# KiCad board sss-opr3-v1 (1).kicad_pcb (continued)
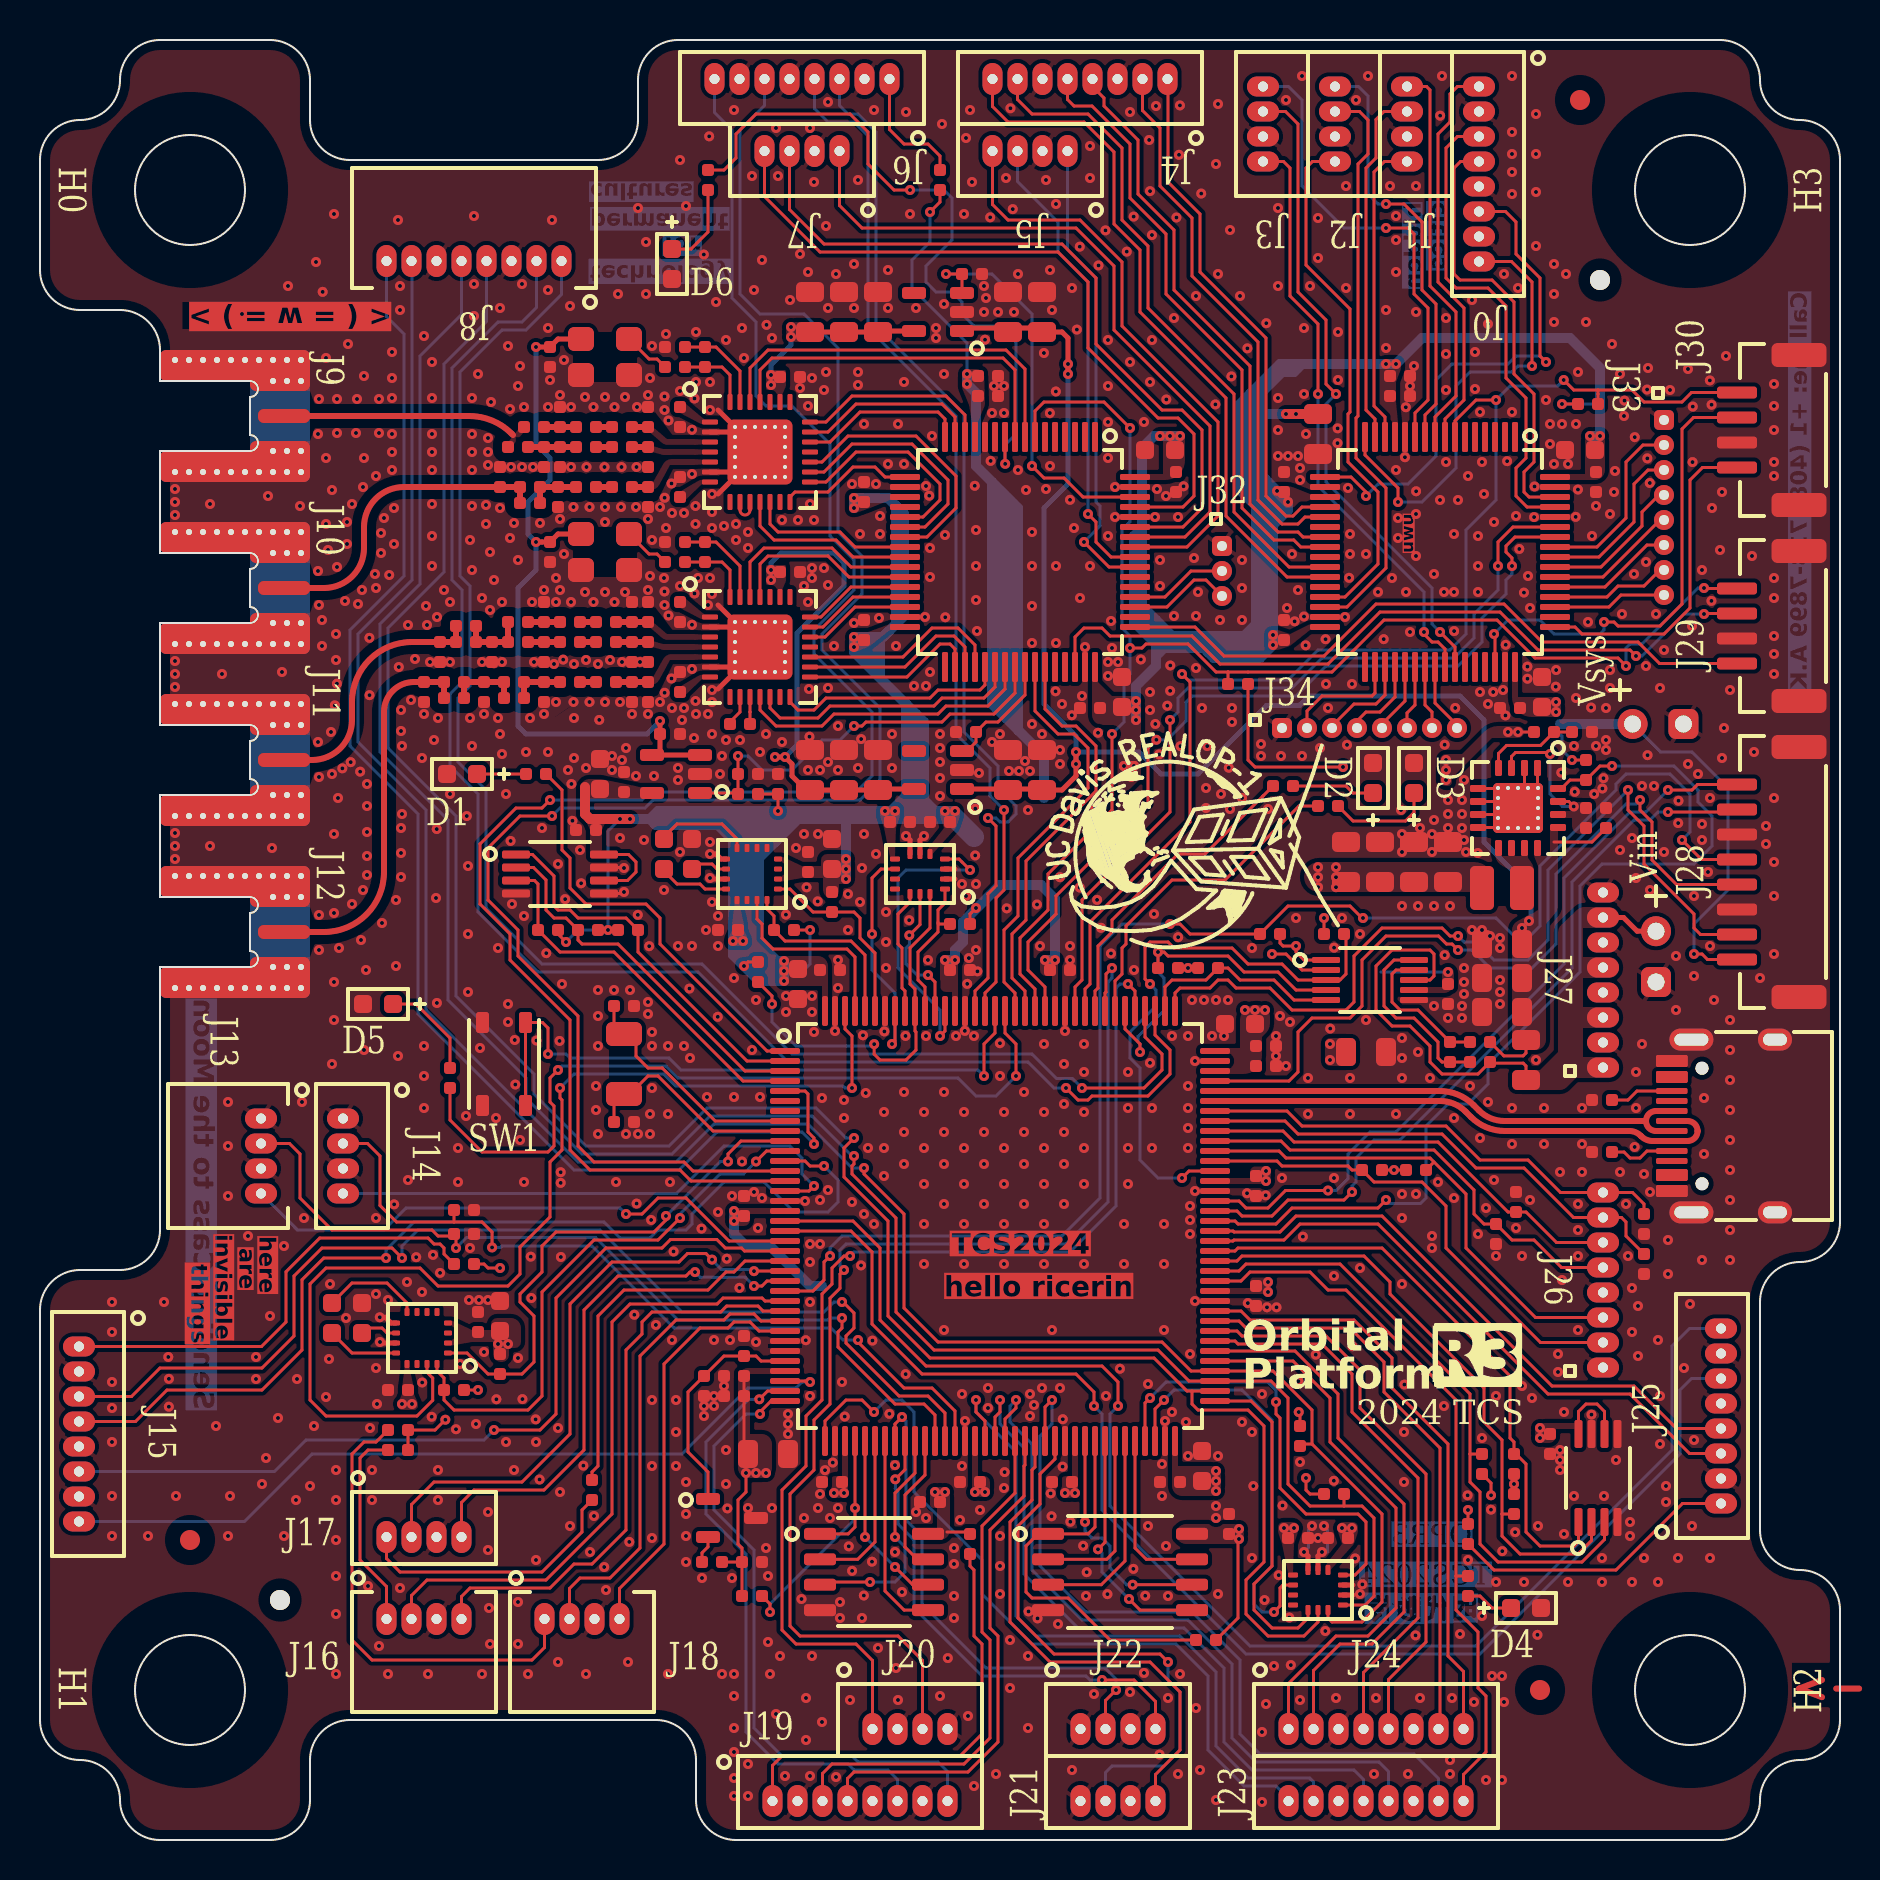
[diagram p0: board, top side]
## Routing (per net, layer and track width the routed paths; a pad name or vN(x,y) marks a point on that pad's centre or on a via; arc(x,y) is an arc through that point) (continued)
/aux0-uart-oprx: length 59.2
  Top w0.15: U2.116 53.25,42.35 53.3,42.4 53.3,43.3 v1(53.6,43.6) ; v1(40.2,28.5) 40,28.3 40,27.59 39.5,27.09 39.5,21.8 38.7,21 38.7,18.5 37.5,17.3 37.5,10.7 38,10.2 42.9,10.2 44.12,8.97 J20.3
  Bottom w0.15: v1(53.6,43.6) 53.6,43.1 53.4,42.9 53.4,31.9 51.3,29.8 40.3,29.8 40,29.5 40,28.7 v1(40.2,28.5)
/aux0-uart-optx: length 56.3
  Top w0.15: v1(40.5,29.2) 40.2,29.2 39.6,28.6 39.6,27.8 39.1,27.3 39.1,22 38.3,21.2 38.3,18.7 37.1,17.5 37.1,10.5 37.8,9.8 40.8,9.8 41.62,8.97 J20.1 ; U2.113 54.75,42.45 v1(54.4,42.8)
  Bottom w0.15: v1(54.4,42.8) 54,42.8 53.8,42.6 53.8,31.7 51.5,29.4 40.7,29.4 v1(40.5,29.2)
/aux1-gp0: length 27.6
  Top w0.15: J24.1 62.42,7.82 64.8,10.2 66.4,10.2 67.8,11.6 67.8,16.6 64.5,19.9 64.5,22.1 62.65,23.95 U2.77
/aux1-gp1: length 28
  Top w0.15: J24.2 63.67,8.47 65,9.8 66.6,9.8 68.2,11.4 68.2,16.8 64.9,20.1 64.9,22.3 62.75,24.45 U2.78
/aux1-gp2: length 27.8
  Top w0.15: J24.4 66.17,8.37 68.9,11.1 68.9,18.1 65.6,21.4 65.6,23.3 64.1,24.8 59.9,24.8 59.75,24.95 U2.79
/aux1-gp3: length 28.2
  Top w0.15: U2.80 59.85,25.45 60.1,25.2 64.3,25.2 66,23.5 66,21.6 69.3,18.3 69.3,9.9 67.42,8.03 J24.5
/aux1-gp4: length 28.8
  Top w0.15: U2.81 59.95,25.95 60.3,25.6 65.5,25.6 67.2,23.9 67.2,22.4 70,19.6 70,5.62 J24.7
/aux1-gp5: length 29.9
  Top w0.15: U2.82 60.05,26.45 60.5,26 65.7,26 67.6,24.1 67.6,22.6 70.4,19.8 70.4,9.2 71.17,8.43 J24.8
/aux2-gp0: length 39
  Top w0.15: v1(41.7,21.4) 41.1,22 40.3,22 39.25,20.95 U2.37
  Bottom w0.15: J23.1 62.42,2.07 61.8,2.7 60.2,2.7 58.4,4.5 58.4,8.2 56.8,9.8 49.6,9.8 47.1,12.3 47.1,14 43.7,17.4 43.7,21.4 43.1,22 42.3,22 v1(41.7,21.4)
/aux2-gp1: length 35.3
  Top w0.15: U2.53 47.25,20.95 46.8,21.4 v1(46.8,22)
  Bottom w0.15: v1(46.8,22) 46.8,21.4 48.8,19.4 48.8,11.2 49.8,10.2 57,10.2 58.8,8.4 58.8,4.7 60.4,3.1 63.47,3.1 63.67,2.9 J23.2
/aux2-gp2: length 35.8
  Top w0.15: U2.54 47.75,21.15 48,21.4 v1(48,22)
  Bottom w0.15: J23.4 66.17,3.02 65.7,3.5 60.6,3.5 59.2,4.9 59.2,8.6 57.2,10.6 51.9,10.6 49.2,13.3 49.2,19.6 48,20.8 v1(48,22)
/aux2-gp3: length 37
  Top w0.15: U2.55 48.25,21.05 48.8,21.6 v1(48.8,22)
  Bottom w0.15: v1(48.8,22) 48.5,21.7 48.5,20.9 49.6,19.8 49.6,13.5 52.1,11 57.4,11 59.6,8.8 59.6,5.1 60.8,3.9 66.95,3.9 67.42,3.43 J23.5
/aux2-gp4: length 38.4
  Top w0.15: v1(50.6,22) 50.25,21.65 U2.59
  Bottom w0.15: v1(50.6,22) 50.6,20.8 50,20.2 50,13.7 52.3,11.4 57.6,11.4 60,9 60,5.3 61,4.3 68.7,4.3 69.92,3.07 J23.7
/aux2-gp5: length 36.6
  Top w0.15: J23.8 71.17,3.27 72.3,4.4 72.3,7.2 71.9,7.6 71.9,10.4 70.8,11.5 70.8,13.2 ; R47.2 70.8,13.2 ; 70.8,13.2 70.8,22 65.3,27.5 64.4,27.5 63.5,28.4 60.5,28.4 60.05,27.95 U2.85
/batmon-scl: length 27.2
  Top w0.15: U2.24 36.35,27.95 36.1,27.7 v1(35.7,27.7) ; J17.4 21.07,16.87 21.7,17.5 25.2,17.5 27.2,19.5 27.2,26.5 28.9,28.2 32.3,28.2 32.5,28.4 v1(32.75,28.4)
  Bottom w0.15: v1(35.7,27.7) 35.27,28.13 33.01,28.13 v1(32.75,28.4)
/batmon-sda: length 29.7
  Top w0.15: v1(35.7,28.44) 35.71,28.45 U2.23 ; J17.2 18.57,16.78 19.7,17.9 24.1,17.9 26.5,20.3 26.5,26.8 28.6,28.9 31.95,28.9 32.37,29.32 33.3,29.32 v1(33.6,29.02)
  Bottom w0.15: v1(33.6,29.02) 33.6,29 34.08,28.52 35.62,28.52 v1(35.7,28.44)
/batmon-vsen: length 18.8
  Top w0.15: U2.22 35.25,28.95 34.7,28.4 34.3,28.4 33.4,27.5 29.2,27.5 27.9,26.2 27.9,18.7 27.6,18.4 R35.1
/cam-miso: length 111.4
  Top w0.15: 65.2,16.7 63.5,16.7 62.4,17.8 62.4,22.1 61.55,22.95 U2.75 57.45,22.95 55.9,24.5 44.7,24.5 42.8,26.4 42.8,31.1 40.6,33.3 40.6,33.7 40.7,33.8 v1(40.7,34.2) ; 65.2,16.7 R56.1 ; 65.2,16.7 66.1,16.7 66.7,16.1 66.7,12.19 66.26,11.75 U3.1
  Bottom w0.15: J8.5 21.07,76.28 19,74.2 19,62.8 17,60.8 17,54.4 20.4,51 20.4,42 24.3,38.1 24.3,37.1 27.1,34.3 31.6,34.3 33.5,36.2 38.6,36.2 40.6,34.2 v1(40.7,34.2)
/cam-mosi: length 112.4
  Top w0.15: 63.6,19.8 67.1,16.3 67.1,11.9 66.1,10.9 64.6,10.9 64.4,11.1 U3.14 ; 63.6,19.8 63.6,21.5 61.65,23.45 U2.76 57.55,23.45 56.1,24.9 44.9,24.9 43.2,26.6 43.2,31.3 41.2,33.3 v1(41.2,33.6) ; 63.6,19.8 63.1,19.8 R55.1
  Bottom w0.15: v1(41.2,33.6) 40.6,33.6 38.4,35.8 33.7,35.8 31.8,33.9 26.9,33.9 19.3,41.5 19.3,51.5 15.9,54.9 15.9,60.3 18.6,63 18.6,78.92 J8.7
/cam-ncs: length 68.4
  Top w0.15: v1(38.7,34.8) 38.7,35.1 38.4,35.4 38.4,37.3 38.25,37.45 U2.5
  Bottom w0.15: v1(38.7,34.8) 38.1,35.4 33.85,35.4 31.95,33.5 26.7,33.5 18.9,41.3 18.9,51.3 15.5,54.7 15.5,60.5 18.2,63.2 18.2,75.3 17.32,76.17 J8.8
/cam-oprx: length 77.4
  Top w0.15: U2.112 55.25,40.15 56.1,39.3 56.1,38.5 55.2,37.6 v1(52.1,37.6)
  Bottom w0.15: v1(52.1,37.6) 51.62,38.08 50.82,38.08 49.6,39.3 37.6,39.3 33.1,43.8 25.1,43.8 22.3,46.6 22.3,52.5 20.9,53.9 20.9,57.1 21.5,57.7 21.5,62.7 21,63.2 21,73.4 23.1,75.5 24.3,75.5 26.07,77.28 J8.1
/cam-optx: length 78.5
  Top w0.15: v1(51.3,37.6) 51.9,37 52.4,37 52.6,37.2 55.4,37.2 56.5,38.3 56.5,39.5 55.75,40.25 U2.111
  Bottom w0.15: J8.2 24.82,76.62 24.1,75.9 22.9,75.9 20.6,73.6 20.6,63 21.1,62.5 21.1,57.9 20.5,57.3 20.5,53.7 21.9,52.3 21.9,46.4 24.9,43.4 32.9,43.4 37.4,38.9 49.4,38.9 50.7,37.6 v1(51.3,37.6)
/cam-sck: length 112.5
  Top w0.15: 57.6,22.45 57.6,21.8 57.9,21.5 60.4,21.5 61.2,20.7 61.2,13.9 60.3,13 60.3,11.3 61.4,10.2 63.2,10.2 63.9,10.9 U3.13 ; 57.6,22.45 U2.74 ; 57.6,22.45 57.35,22.45 55.7,24.1 44.5,24.1 42.4,26.2 42.4,30.95 40.2,33.15 40.2,34.6 v1(40.7,35.1)
  Bottom w0.15: v1(40.7,35.1) 40.3,35.1 38.8,36.6 33.35,36.6 31.45,34.7 27.3,34.7 24.7,37.3 24.7,38.3 20.8,42.2 20.8,51.2 17.4,54.6 17.4,60.6 20.2,63.4 20.2,73.8 22.32,75.92 J8.4
/en-v2v8xo: length 20.9
  Top w0.15: v1(40.7,55.7) 41.1,55.7 41.3,55.9 45.1,55.9 45.5,56.3 47.7,56.3 48.75,57.35 U11.40 ; v1(34.9,54.2) R17.1 R16.2 34.85,52.35 U16.1
  Bottom w0.15: v1(34.9,54.2) 35.4,54.2 36.1,53.5 37.6,53.5 39.1,55 40,55 v1(40.7,55.7)
/en-v3v3rad0: length 20.3
  Top w0.15: U11.62 52.15,67.15 51.2,68.1 50.2,68.1 v1(49.6,68.7) ; U6.3 R18.2 v1(45.3,78.3)
  Bottom w0.15: v1(45.3,78.3) 47.6,78.3 49.6,76.3 v1(49.6,68.7)
/en-v3v3rad1: length 6
  Top w0.15: U11.41 49.25,57.25 47.9,55.9 47.3,55.9 R20.2 46.8,54.9 46.35,54.45 U17.3
/esc-gpio: length 25.5
  Top w0.15: U2.58 49.75,18.65 49.6,18.5 49.6,17 48.5,15.9 48.5,10.9 50.5,8.9 55.5,8.9 57,7.4 57,4.5 55.77,3.27 J21.4
/esc-oprx: length 24.3
  Top w0.15: v1(42.76,18.04) 43.25,18.52 U2.45 ; v1(53.1,8) 54.7,8 55.77,6.93 J22.4
  Bottom w0.15: v1(53.1,8) 52.5,8 52.3,8.2 47.1,8.2 43.7,11.6 43.7,15 42.9,15.8 42.9,17.41 42.76,17.55 v1(42.76,18.04)
/esc-optx: length 25.1
  Top w0.15: J22.2 53.27,6.97 v1(53.8,7.5) ; U2.44 42.75,20.8 v1(43.1,21.15)
  Bottom w0.15: v1(43.1,21.15) 43.3,20.95 43.3,16 44.1,15.2 44.1,11.8 47.3,8.6 53.25,8.6 53.8,8.05 v1(53.8,7.5)
/esc-pwm: length 28.3
  Top w0.15: U2.60 50.75,19.05 50,18.3 50,16.8 48.9,15.7 48.9,11.1 50.7,9.3 56,9.3 v1(56.4,8.9)
  Bottom w0.15: J21.2 53.27,3.38 53.6,3.7 56.2,3.7 57,4.5 57,7.4 56.4,8 v1(56.4,8.9)
/fram-miso: length 8.2
  Top w0.15: U2.42 41.75,14.9 40.88,14.04 U14.2
/fram-mosi: length 10.6
  Top w0.15: 45,11.5 43.2,11.5 42.25,12.45 U2.43
/fram-ncs: length 14.1
  Top w0.15: R54.1 36.5,11.8 v1(36.5,11.4) ; 39,15.3 40.4,15.3 40.75,15.65 U2.40
  Bottom w0.15: v1(36.5,11.4) 36.5,11.8 40.75,16.05 v1(40.75,16.6)
/fram-nhold: length 7.7
  Top w0.15: U2.47 44.25,18.25 43.25,17.25 43.25,14.65 43.86,14.04 45,14.04
/fram-nwp: length 11.5
  Top w0.15: v1(42.75,15.15) 42.75,17.35 43.75,18.35 U2.46 ; v1(41.5,12.9) 39.13,12.9
  Bottom w0.15: v1(41.5,12.9) 42.75,12.9 43.25,13.4 43.25,14.65 v1(42.75,15.15)
/fram-sck: length 9.5
  Top w0.15: 45,12.76 43.63,12.76 v1(42.75,13.65) ; v1(41.25,15.15) U2.41
  Bottom w0.15: v1(41.25,15.15) v1(42.75,13.65)
/imu0-int1: length 15.4
  Top w0.15: U2.132 45.25,40.45 v1(45,40.2) ; v1(46.5,48.5) 45.95,49.05 U5.4
  Bottom w0.15: v1(45,40.2) 45,41.5 42.9,43.6 42.9,48.1 43.3,48.5 v1(46.5,48.5)
/imu0-int2: length 11.9
  Top w0.15: v1(41.6,45.3) 41.6,48.1 42.05,48.55 U5.9 ; U2.137 42.75,39.95 v1(42.6,39.8)
  Bottom w0.15: v1(42.6,39.8) 42.75,39.95 42.75,42.35 41.6,43.5 v1(41.6,45.3)
/imu0-miso: length 7.4
  Top w0.15: 45.4,45.8 44.9,45.8 ; U5.1 45.25,46.85 44.9,46.5 44.9,45.4 43.9,44.4 43.9,43 44.25,42.65 U2.134 ; R57.1 45.4,45.9
/imu0-mosi: length 19.2
  Top w0.15: v1(41.71,39.79) 41.71,39.29 42,39 43.3,39 43.8,39.5 43.8,40.4 43.75,40.45 U2.135 43.75,42.55 43.5,42.8 43.5,44.6 44.5,45.6 U5.14 ; v1(36.6,41.8) 36.6,42.2 R58.1
  Bottom w0.15: v1(36.6,41.8) 36.6,40.9 37.8,39.7 41.61,39.7 v1(41.71,39.79)
/imu0-ncs: length 6.2
  Top w0.15: U2.136 43.25,42.45 43.1,42.6 43.1,44.6 42.9,44.8 42.9,46.3 43.5,46.9 U5.12
/imu0-sck: length 7.1
  Top w0.15: U2.133 44.75,42.9 v1(44.4,43.25) ; U5.13 44,45.77 v1(43.46,45.24)
  Bottom w0.15: v1(43.46,45.24) 43.46,44.76 43.3,44.6 43.3,43.8 43.85,43.25 v1(44.4,43.25)
/imu1-int1: length 22.5
  Top w0.15: U2.69 55.25,21.85 v1(55.5,22.1) ; v1(61.8,21.9) 61.8,21.3 62,21.1 62,17.6 63.3,16.3 65.9,16.3 66.3,15.9 66.3,13.8 65.75,13.25 U3.4
  Bottom w0.15: v1(61.8,21.9) 61.8,22.49 61.39,22.9 56.3,22.9 v1(55.5,22.1)
/imu1-int2: length 21.2
  Top w0.15: v1(56.2,22) 55.75,21.55 U2.70 ; U3.9 62.15,12.75 62,12.6 62,11.7 v1(61.7,11.4)
  Bottom w0.15: v1(61.7,11.4) 61.1,11.4 60.7,11.8 60.7,12.8 61.6,13.7 61.6,21 60.1,22.5 56.7,22.5 v1(56.2,22)
/imu1-ncs: length 16.7
  Top w0.15: U2.73 60.55,21.95 61.6,20.9 61.6,13.7 60.7,12.8 60.7,11.5 61.6,10.6 62.9,10.6 63.4,11.1 U3.12
/led0: length 21.1
  Top w0.15: R3.2 26.1,52.5 26.1,49.5 26.5,49.1 26.5,47.6 27.3,46.8 30.3,46.8 31,46.1 31,44.8 36.35,39.45 U2.1
/led1: length 15.7
  Top w0.15: R45.2 58.25,49.3 56.9,49.3 53.6,46 53.6,45.4 52.9,44.7 52.9,42.6 52.75,42.45 U2.117
/led2: length 16.6
  Top w0.15: R46.2 62.95,51.7 59.25,48 56.6,48 54.3,45.7 54.3,44.8 54.1,44.6 54.1,43.3 53.75,42.95 U2.115
/mag0-drdy: length 9.7
  Top w0.15: U4.15 35.85,46.05 36.1,45.8 36.1,45.1 36.65,44.55 40.35,44.55 40.75,44.15 U2.141
/mag0-scl: length 9.7
  Top w0.15: U2.139 41.75,44.35 41,45.1 41,46.1 40.7,46.4 R4.1 38.65,46.4 37.5,47.55 U4.1
/mag0-sda: length 9.5
  Top w0.15: U2.140 41.25,44.25 40.55,44.95 37.25,44.95 R9.1 36.7,46.2 36.35,46.55 U4.16
/mag1-drdy: length 55.4
  Top w0.15: v1(40.6,37.6) 40.6,40.2 40.25,40.55 U2.142 ; U8.15 19.35,23.38 19.64,23.1 19.64,21.99 18.85,21.2 14.3,21.2 13.5,22 13.5,27.8 14.3,28.6 19,28.6 19.9,27.7 23.4,27.7 24,28.3 24,29.65 25.5,31.15 25.5,33.9 26.1,34.5 26.1,37 26,37.1 v1(26,37.6)
  Bottom w0.15: v1(26,37.6) 26.7,38.3 31.19,38.3 31.79,37.7 40.15,37.7 40.25,37.6 v1(40.6,37.6)
/mag1-scl: length 26.2
  Top w0.15: U8.1 21.35,24.35 22.4,23.3 R10.1 24.1,23.3 24.7,23.9 24.7,26.2 24,26.9 24,27.3 25.1,28.4 25.1,29.7 25.8,30.4 30.7,30.4 31.3,31 v1(31.3,31.2) ; U2.10 35.05,34.95 34.4,34.3 v1(34.4,33.92)
  Bottom w0.15: v1(31.3,31.2) 34.02,33.92 v1(34.4,33.92)
/mag1-sda: length 27.7
  Top w0.15: v1(35.8,33.92) 36.32,34.45 U2.11 ; U8.16 19.85,23.45 20.2,23.1 R11.1 20.2,22 20.7,21.5 24.4,21.5 25.1,22.2 25.1,27.4 27.7,30 30.9,30 v1(32,31.1)
  Bottom w0.15: v1(35.8,33.92) 35.17,33.3 34,33.3 32,31.3 v1(32,31.1)
/mcu0-dbgrx: length 38.3
  Top w0.15: J28.8 82.88,52.78 82.6,52.5 v1(81.4,52.5) ; U2.93 59.95,31.95 60.3,31.6 61.4,31.6 62.27,32.47 v1(64.4,32.47)
  Bottom w0.15: v1(64.4,32.47) 64.81,32.47 65.4,33.06 65.4,34.3 66.5,35.4 67.8,35.4 76.2,43.8 76.2,48.1 79.5,51.4 80.3,51.4 81.4,52.5 v1(81.4,52.5)
/mcu0-dbgtx: length 38
  Top w0.15: U2.92 59.85,31.45 60.1,31.2 61.6,31.2 62.4,32 65.2,32 v1(65.6,32.4) ; J28.7 84.72,51.4 v1(81.4,51.4)
  Bottom w0.15: v1(65.6,32.4) 65.6,32.7 65.8,32.9 65.8,34.1 66.7,35 68,35 76.6,43.6 76.6,47.9 79.7,51 80.5,51 80.9,51.4 v1(81.4,51.4)
/mcu0-nrst: length 73.8
  Top w0.15: v1(66.15,46.1) 66.1,46.1 65.5,46.7 62.4,46.7 R51.1 57.5,45.3 57,45.8 v1(56.5,45.8) ; v1(39.5,29.2) 39.2,28.9 39.2,28 38.65,27.45 U2.25 ; J28.5 83.07,49.03 v1(82.1,50)
  Bottom w0.15: v1(39.5,29.2) 39.5,29.6 40.1,30.2 51.1,30.2 53,32.1 53,44.7 54.1,45.8 v1(56.5,45.8) ; v1(82.1,50) 82.5,50.4 82.5,52.3 81.5,53.3 79.3,53.3 78.8,52.8 78.8,52.5 75,48.7 75,45.7 74.4,45.1 73.8,45.1 72.8,46.1 v1(66.15,46.1)
/mcu0-swclk: length 44.3
  Top w0.15: U2.109 56.75,42.35 57,42.6 58.5,42.6 58.9,43 59.4,43 59.8,42.6 61.5,42.6 62.6,41.5 65.3,41.5 65.7,41.9 65.7,44.2 67.1,45.6 70.1,45.6 70.5,45.2 v1(70.9,45.2) ; J28.2 83.03,45.28 82.7,45.6 82.7,46.3 80.2,48.8 80.2,50.7 79.4,51.5 v1(79.4,52.5)
  Bottom w0.15: v1(79.4,52.5) 75.4,48.5 75.4,45 74.4,44 72.7,44 71.8,44.9 71.2,44.9 v1(70.9,45.2)
/mcu0-swdio: length 41
  Top w0.15: v1(70.9,44.5) 70.6,44.8 70.33,44.8 69.92,45.2 67.3,45.2 66.1,44 66.1,41.7 65.5,41.1 63.6,41.1 62.9,40.4 62.9,38.4 62.45,37.95 U2.105 ; J28.4 81.82,47.78 80.6,49 80.6,50.9 80,51.5 v1(80,52)
  Bottom w0.15: v1(80,52) 79.8,51.8 79.3,51.8 75.8,48.3 75.8,44.8 74.6,43.6 72.5,43.6 71.6,44.5 v1(70.9,44.5)
/mcu01-0rx: length 20.7
  Top w0.15: U2.125 48.75,42.35 48.2,42.9 48.2,45.5 48.9,46.2 48.9,49.1 52.4,52.6 52.4,54.6 51.7,55.3 50.9,55.3 49.75,56.45 U11.42
/mcu01-0tx: length 20.7
  Top w0.15: U2.124 49.25,42.45 48.6,43.1 48.6,45.3 49.3,46 49.3,48.95 52.8,52.45 52.8,54.7 51.8,55.7 51.1,55.7 50.25,56.55 U11.43
/mcu1-dbgrx: length 4.9
  Top w0.15: J32.2 57.55,63.45 56.25,62.15 U11.52
/mcu1-dbgtx: length 5.2
  Top w0.15: J32.3 58.3,63 57.7,63 56.35,61.65 U11.51
/mcu1-nrst: length 74.6
  Top w0.15: v1(54.5,59.6) 55.1,59.6 55.3,59.8 57.4,59.8 58.8,58.4 59.4,58.4 ; J29.4 83.22,62.58 v1(83.2,62.6) ; U11.7 49.75,71.45 50.2,71.9 53.2,71.9 v1(54.5,70.6) ; v1(79.3,58.7) 78.9,59.1 74.75,59.1 72.85,61 67.2,61 64.6,58.4 59.4,58.4 ; U2.123 49.75,42.55 49,43.3 49,45.1 50.4,46.5 50.4,48.3 53.6,51.5 v1(53.6,55.3) ; R50.1 59.4,58.4
  Bottom w0.15: v1(83.2,62.6) 82.9,62.6 80.1,59.8 79.5,59.8 79.3,59.6 v1(79.3,58.7) ; v1(54.5,70.6) 54.5,65.91 54.1,65.51 54.1,60.6 54.5,60.2 v1(54.5,59.6) 54.5,58.3 54.2,58 54.2,55.9 v1(53.6,55.3)
/mcu1-swclk: length 33
  Top w0.15: J29.1 80.97,58.83 79.9,59.9 75.1,59.9 73.2,61.8 66.8,61.8 64.2,59.2 59.2,59.2 57.75,60.65 U11.49
/mcu1-swdio: length 38.4
  Top w0.15: v1(83.2,61.3) 83.22,61.33 J29.3 ; U11.46 51.75,60.15 52.2,60.6 53.1,60.6 53.5,60.2 57.6,60.2 59,58.8 64.4,58.8 67,61.4 73,61.4 74.9,59.5 79.5,59.5 v1(79.8,59.2)
  Bottom w0.15: v1(83.2,61.3) 82.2,61.3 80.1,59.2 v1(79.8,59.2)
/mcu02-0rx: length 43.6
  Top w0.15: U7.58 73.75,65.15 73.3,64.7 73.3,64.4 73.6,64.1 v1(73.6,63.7) ; v1(55.82,55.01) 55.4,54.59 55.4,51.8 50.8,47.2 50.8,46.3 49.4,44.9 49.4,43.5 50.25,42.65 U2.122
  Bottom w0.15: v1(73.6,63.7) 73.6,63.3 73.3,63 73.3,62.3 72.1,61.1 72.1,59.9 70.9,58.7 64.3,58.7 62.8,57.2 57.6,57.2 57.3,56.9 57.3,55.95 56.36,55.01 v1(55.82,55.01)
/mcu02-0tx: length 42.3
  Top w0.15: U7.59 73.65,65.65 72.9,64.9 v1(72.9,63.7) ; v1(56.5,56) 56.5,51.4 52.1,47 52.1,43 51.75,42.65 U2.119
  Bottom w0.15: v1(72.9,63.7) 72.9,62.5 71.7,61.3 71.7,60.1 70.7,59.1 64.1,59.1 62.6,57.6 57.4,57.6 56.9,57.1 56.9,56.4 v1(56.5,56)
/mcu2-nrst: length 63.9
  Top w0.15: 77.9,72.5 76.69,72.5 v1(76.19,73) ; 77.9,72.5 79.6,72.5 80.2,71.9 82.1,71.9 82.57,72.38 J30.4 ; 77.9,72.5 R52.1 ; U2.118 52.25,42.55 52.5,42.8 52.5,45.9 57.5,50.9 57.5,57.9 v1(57.1,58.3) ; U7.7 70.75,70.95 71.8,72 v1(72.8,72)
  Bottom w0.15: v1(76.19,73) 75.89,72.7 73.5,72.7 v1(72.8,72) 72.8,67 71.3,65.5 71.3,60.3 70.5,59.5 63.9,59.5 62.4,58 57.4,58 v1(57.1,58.3)
/mcu2-swclk: length 16.4
  Top w0.15: J30.1 83.12,68.62 82.5,68 82.5,61.6 81.2,60.3 77.1,60.3 76.75,60.65 U7.49
/mcu2-swdio: length 24.4
  Top w0.15: U7.46 72.75,60.25 v1(72.7,60.3) ; J30.3 82.67,71.12 82.1,70.55 82.1,61.8 81,60.7 78.9,60.7 78.7,60.9 v1(78.2,60.9)
  Bottom w0.15: v1(72.7,60.3) 73.4,61 75,61 75.7,60.3 78,60.3 78.2,60.5 v1(78.2,60.9)
/mgt-diag-ana-isen: length 19.9
  Top w0.15: U7.8 70.25,71.05 71.2,72 71.2,76.6 69.9,77.9 69.9,85.3 70.5,85.9 70.5,87.3 70.88,87.67 J0.1
/mgt-diag-scl: length 24.3
  Top w0.15: J0.3 70.88,85.17 70.3,84.6 70.3,78.1 70.8,77.6 72.4,77.6 73.3,76.7 73.3,73.1 74.3,72.1 74.3,69.1 73.8,68.6 73.8,67.2 74.35,66.65 U7.61
/mgt-diag-sda: length 22
  Top w0.15: U7.62 74.45,67.15 74.2,67.4 74.2,68.4 74.7,68.9 74.7,72.3 73.7,73.3 73.7,76.9 72.6,78 71,78 70.7,78.3 70.7,83.6 71.02,83.92 J0.4
/mgt-drv0-isen: length 19.5
  Top w0.15: J1.1 69.33,87.67 69.5,87.5 69.5,77.7 70.8,76.4 70.8,72.2 69.75,71.15 U7.9
/mgt-drv0-pwm0: length 18
  Top w0.15: U7.15 66.75,71.05 66.3,71.5 66.3,83.6 66.8,84.1 66.8,86.02 67.2,86.42 J1.2
/mgt-drv0-pwm1: length 15.3
  Top w0.15: U7.14 67.25,71.15 66.7,71.7 66.7,83.4 67.22,83.92 J1.4
/mgt-drv1-isen: length 21.3
  Top w0.15: U7.10 69.25,71.25 69.8,71.8 69.8,76.8 69.1,77.5 69.1,80.9 68.2,81.8 v1(67.3,81.8)
  Bottom w0.15: J2.1 65.93,87.67 66.4,87.2 66.4,82.3 66.9,81.8 v1(67.3,81.8)
/mgt-drv1-pwm0: length 29
  Top w0.15: U7.30 65.35,61.65 67.3,63.6 67.3,67.6 65.8,69.1 65.8,71.1 65.9,71.2 65.9,83.8 66.4,84.3 66.4,86 65.98,86.42 J2.2
/mgt-drv1-pwm1: length 26.3
  Top w0.15: U7.29 65.25,62.15 66.9,63.8 66.9,67.4 65.4,68.9 65.4,71.3 65.5,71.4 65.5,76.55 63.3,78.75 63.3,83.6 63.62,83.92 J2.4
/mgt-drv2-isen: length 23.8
  Top w0.15: v1(67.3,80.6) 68.4,80.6 68.7,80.3 68.7,77.3 69.4,76.6 69.4,72 68.75,71.35 U7.11
  Bottom w0.15: J3.1 62.42,87.67 63.1,87 63.1,82.7 65.2,80.6 v1(67.3,80.6)
/mgt-drv2-pwm0: length 32.8
  Top w0.15: v1(70,60.4) 70.75,59.65 U7.42 ; v1(64.8,72.3) 64.3,72.8 64.3,76 62.9,77.4 62.9,85.8 62.27,86.42 J3.2
  Bottom w0.15: v1(70,60.4) 69.6,60.8 69.6,62.6 64.3,67.9 64.3,71.8 v1(64.8,72.3)
/mgt-drv2-pwm1: length 29.8
  Top w0.15: v1(63.9,72.3) 63.9,75.8 62.5,77.2 62.5,83.6 62.17,83.92 J3.4 ; v1(69.2,60.4) 69.2,60.3 69.6,59.9 69.9,59.9 70.25,59.55 U7.41
  Bottom w0.15: v1(69.2,60.4) 69.2,62.4 63.9,67.7 v1(63.9,72.3)
/mgt-uart-oprx: length 23.1
  Top w0.15: v1(74.6,73.7) 74.6,77.9 73.58,78.92 J0.8 ; v1(67.9,66.9) 67.9,67.6 66.25,69.25 U7.16
  Bottom w0.15: v1(74.6,73.7) 73.9,73.7 73.6,73.4 71.5,73.4 70.8,72.7 70.8,68.6 69.1,66.9 v1(67.9,66.9)
/mgt-uart-optx: length 26.5
  Top w0.15: v1(66.3,67.2) 66.3,67.4 65.55,68.15 U7.17 ; v1(75.3,73.9) 75,74.2 75,78.1 73.8,79.3 73.8,80.9 73.27,81.42 J0.6
  Bottom w0.15: v1(75.3,73.9) 75,74.2 73.8,74.2 73.4,73.8 70.6,73.8 69.8,73 69.8,69.2 68.4,67.8 66.9,67.8 v1(66.3,67.2)
/mgtaux0: length 26.4
  Top w0.15: 56.38,88.05 56.4,88.03 56.4,82.9 58,81.3 58,78.4 61.3,75.1 61.3,67.2 62.3,66.2 62.65,66.2 63.1,66.65 U7.20
/mgtaux1: length 27.4
  Top w0.15: J4.2 55.12,86.48 56,85.6 56,82.7 57.6,81.1 57.6,78.2 60.9,74.9 60.9,67 62.1,65.8 62.9,65.8 63.25,66.15 U7.21
/mgtaux2: length 28.9
  Top w0.15: J4.4 52.62,87.67 53.2,87.1 53.2,86.7 54.9,85 54.9,82.3 56.7,80.5 56.7,77.5 60.5,73.7 60.5,66.8 61.9,65.4 62.9,65.4 63.15,65.15 U7.23
/mgtaux3: length 30.5
  Top w0.15: J4.5 51.38,87.03 51.7,86.7 52.6,86.7 54.5,84.8 54.5,82.1 56.3,80.3 56.3,77.3 60.1,73.5 60.1,66.6 61.7,65 62.69,65 63.04,64.65 U7.24
/mgtaux4: length 33.5
  Top w0.15: U7.26 62.45,63.65 59.7,66.4 59.7,72.3 55.4,76.6 55.4,79.7 54.1,81 54.1,84.6 52.4,86.3 49.6,86.3 48.88,87.03 J4.7
/mgtaux5: length 35.1
  Top w0.15: U7.27 62.35,63.15 59.3,66.2 59.3,72.1 55,76.4 55,79.5 53.7,80.8 53.7,84.4 52.2,85.9 48.4,85.9 47.62,86.67 J4.8
/nand-d0: length 12.1
  Top w0.15: U9.5 55,11.5 v1(54.45,12.05) ; v1(52.9,14.54) 53.25,14.89 U2.65
  Bottom w0.15: v1(54.45,12.05) 53.1,13.4 53.1,14.33 v1(52.9,14.54)
/nand-d1: length 9
  Top w0.15: U9.2 53.33,14.04 53.75,14.45 U2.66
/nand-d2: length 10.3
  Top w0.15: U2.67 54.25,13.95 53.06,12.76 50.4,12.76
/nand-d3: length 8.4
  Top w0.15: U2.68 54.75,14.6 55.31,14.04 U9.7
/nand-ncs: length 19.9
  Top w0.15: U2.64 52.75,15.65 52.41,15.3 49.91,15.3 49.3,14.7 49.3,12.4 49.6,12.1 51.4,12.1 53.5,10 R53.1
/nand-sck: length 11.6
  Top w0.15: v1(54.63,12.76) 57.6,12.76 ; v1(52.25,15.91) U2.63
  Bottom w0.15: v1(52.25,15.91) 52.25,15.45 52.6,15.1 53.1,15.1 53.5,14.7 53.5,13.6 54.33,12.76 54.53,12.76
  Bottom w0.2: v1(54.63,12.76) 54.53,12.76
/pan0-pd0: length 90
  Top w0.15: U2.13 32.65,33.45 32.2,33.9 27.7,33.9 26.9,34.7 26.9,41.2 23.9,44.2 23.9,45.5 22.4,47 22.4,49.6 24,51.2 v1(25.6,51.2)
  Bottom w0.15: v1(25.6,51.2) 26,51.6 30.25,51.6 30.65,52 41,52 42,53 42,56.6 39.1,59.5 39.1,60.3 41.1,62.3 41.1,64.2 39.9,65.4 39.9,74.6 38.2,76.3 36,76.3 35,77.3 35,85.5 36.22,86.73 J6.6
/pan0-pd1: length 90.1
  Top w0.15: U2.14 32.55,32.95 32,33.5 27.5,33.5 26.5,34.5 26.5,41 23.5,44 23.5,45.3 22,46.8 22,49.8 23.8,51.6 25.1,51.6 v1(25.5,52)
  Bottom w0.15: v1(25.5,52) 30.1,52 30.5,52.4 40.8,52.4 41.6,53.2 41.6,56.4 38.7,59.3 38.7,60.5 40.7,62.5 40.7,64 39.5,65.2 39.5,69.8 37.6,71.7 36.3,71.7 35.8,72.2 35.8,75.9 34.6,77.1 34.6,85.5 33.72,86.38 J6.8
/pan0-scl: length 52.6
  Top w0.15: U2.129 46.75,42.45 47.4,43.1 47.4,47.31 47.8,47.71 47.8,50.7 v1(47.4,51.1)
  Bottom w0.15: v1(47.4,51.1) 47.8,51.1 48,50.9 48.4,50.9 48.8,51.3 48.8,51.7 47.9,52.6 47.9,53.7 46.2,55.4 46.2,71.3 41.8,75.7 41.8,85.4 40.9,86.3 40.4,86.3 39.97,86.73 J6.3
/pan0-sda: length 51.7
  Top w0.15: U2.128 47.25,42.35 47.8,42.9 47.8,47.1 48.2,47.5 v1(48.2,51.5)
  Bottom w0.15: v1(48.2,51.5) 47.5,52.2 47.5,53.6 45.8,55.3 45.8,71.2 41.4,75.6 41.4,85.2 40.7,85.9 39.4,85.9 38.72,86.58 J6.4
/pan1-pd0: length 43.7
  Top w0.15: v1(22.7,20.5) 25,20.5 25.8,21.3 25.8,27.1 28.3,29.6 31.1,29.6 31.52,30.02 33.84,30.02 34.27,29.6 35.07,29.6 35.22,29.45 U2.21
  Bottom w0.15: v1(22.7,20.5) 22.2,20 13.3,20 11.72,18.43 J15.6
/pan1-pd1: length 40.7
  Top w0.15: U2.34 38.25,22.95 38.3,22.9 v1(38.5,22.9)
  Bottom w0.15: v1(38.5,22.9) 38.1,22.9 37.8,22.6 35.4,22.6 32.1,19.3 13.6,19.3 10.22,15.93 J15.8
/pan1-scl: length 56.3
  Top w0.15: v1(18.1,29.1) 17.6,29.6 14.1,29.6 12.7,28.2 12.7,25.2 11.1,23.6 6,23.6 4.57,22.18 J15.3 ; U2.49 45.25,21.35 44.4,22.2 42.95,22.2 40.3,24.85 40.3,25.2 40.7,25.6 40.7,26.35 40.15,26.9 v1(40.1,26.9)
  Bottom w0.15: v1(40.1,26.9) 39.7,26.9 39.2,26.4 32.1,26.4 28,30.5 18.9,30.5 18.1,29.7 v1(18.1,29.1)
/pan1-sda: length 51.1
  Top w0.15: U2.12 38.25,33.95 38.5,33.7 v1(39.2,33.7) ; J15.4 4.77,20.93 6.35,22.5 11.1,22.5 13.1,24.5 13.1,28.01 14.19,29.1 v1(17.3,29.1)
  Bottom w0.15: v1(39.2,33.7) 39.9,33 39.9,31.9 39.4,31.4 37.7,31.4 36.2,32.9 34.2,32.9 32.6,31.3 32.6,30.8 32.3,30.5 30.9,30.5 30.5,30.1 29,30.1 28.2,30.9 18.7,30.9 17.3,29.5 v1(17.3,29.1)
/pan2-pd0: length 30
  Top w0.15: v1(35.96,22.04) 36.38,22.45 U2.35
  Bottom w0.15: J19.6 42.88,3.02 42.4,3.5 40.7,3.5 40.4,3.8 36.9,3.8 35.3,5.4 35.3,14.3 33.3,16.3 33.3,19.9 35.44,22.04 v1(35.96,22.04)
/pan2-pd1: length 31.5
  Top w0.15: U2.36 36.55,21.95 36,21.4 v1(36,21.3)
  Bottom w0.15: v1(36,21.3) 35.3,21.3 33.7,19.7 33.7,16.5 35.7,14.5 35.7,5.6 37.1,4.2 40.6,4.2 40.9,3.9 44.9,3.9 45.38,3.43 J19.8
/pan2-scl: length 26.2
  Top w0.15: J19.3 39.12,3.32 39.6,3.8 46.2,3.8 47.5,5.1 47.5,10 47.1,10.4 47.1,15.7 48.75,17.35 U2.56
/pan2-sda: length 25.3
  Top w0.15: U2.57 49.25,18.75 49.2,18.7 49.2,17.2 47.5,15.5 47.5,10.6 47.9,10.2 47.9,4.9 46.4,3.4 40.7,3.4 40.38,3.07 J19.4
/pan3-pd0: length 68.5
  Top w0.15: v1(52.7,21.7) 52.7,22.4 51.8,23.3 44.1,23.3 41.6,25.8 41.6,29.4 40.55,30.45 U2.19
  Bottom w0.15: v1(52.7,21.7) 53.1,21.3 53.1,16.5 60.3,9.3 72,9.3 82,19.3 82,22.5 82.57,23.07 J25.6
/pan3-pd1: length 71.5
  Top w0.15: U2.18 40.65,30.95 42,29.6 42,26 44.3,23.7 53.1,23.7 53.9,22.9 v1(53.9,21.7)
  Bottom w0.15: J25.8 82.47,25.57 81.6,24.7 81.6,19.5 71.8,9.7 60.5,9.7 53.5,16.7 53.5,21.3 v1(53.9,21.7)
/pan3-scl: length 30.4
  Top w0.15: J25.3 82.47,19.32 79.5,22.3 75.4,22.3 66.9,30.8 63,30.8 62.2,30 59.7,30 59.65,29.95 U2.89
/pan3-sda: length 30.1
  Top w0.15: J25.4 81.82,20.57 79.7,22.7 75.6,22.7 67.1,31.2 62.8,31.2 62,30.4 59.7,30.4 59.65,30.45 U2.90
/pan4-pd0: length 31.7
  Top w0.15: U2.26 36.25,26.95 36.1,27.1 34.16,27.1 33.86,26.8 29.5,26.8 28.6,25.9 28.6,16.3 25.3,13 19.35,13 18.57,12.22 J16.2
/pan4-pd1: length 29
  Top w0.15: U2.27 36.15,26.45 35.9,26.7 34.33,26.7 34.03,26.4 30.6,26.4 30.1,25.9 30.1,25.3 29.3,24.5 29.3,15.5 27.6,13.8 26.7,13.8 25.5,12.6 21.5,12.6 21.07,12.18 J16.4